# Altium PCB MAIN.PcbDoc (part 1 of 2)
Units mil, origin at the board's own origin, x right, y up, seen from the top; angles counter-clockwise.
Board outline 5796 x 4241 mil, 2 copper layers (Top Layer, Bottom Layer); 170 components, 202 nets, 835 pads, 432 vias.
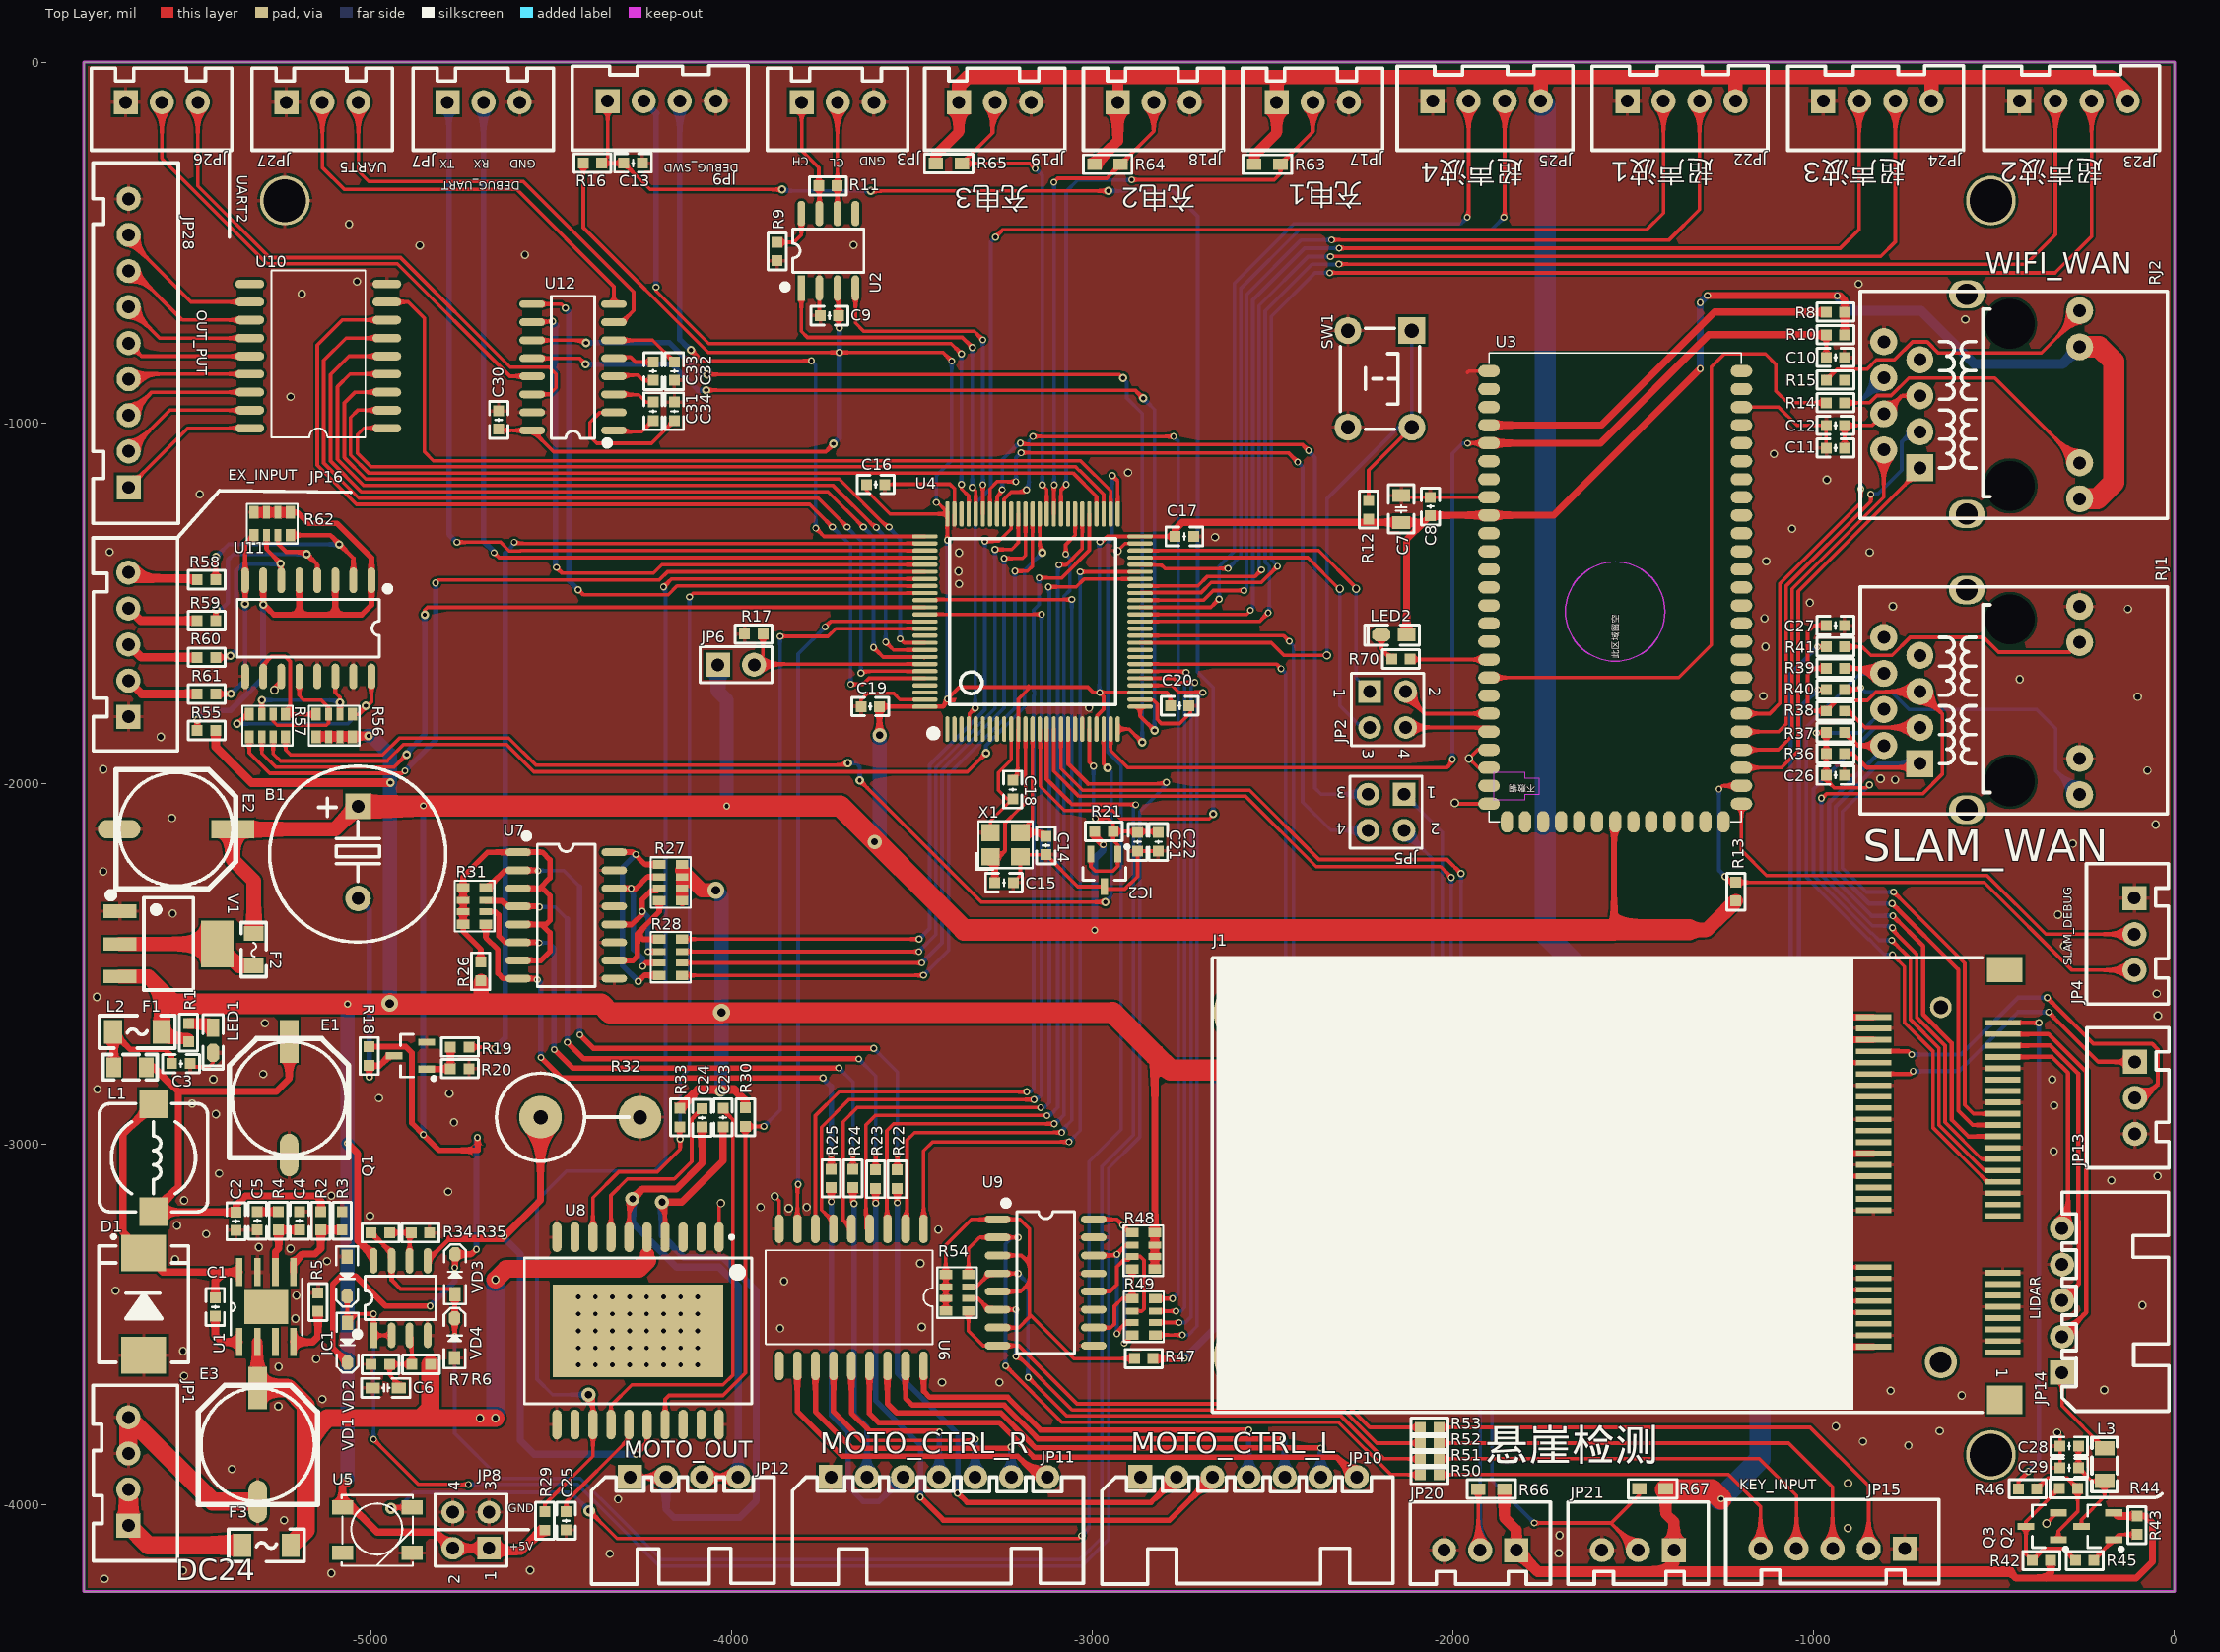
[diagram p0: Top Layer view]
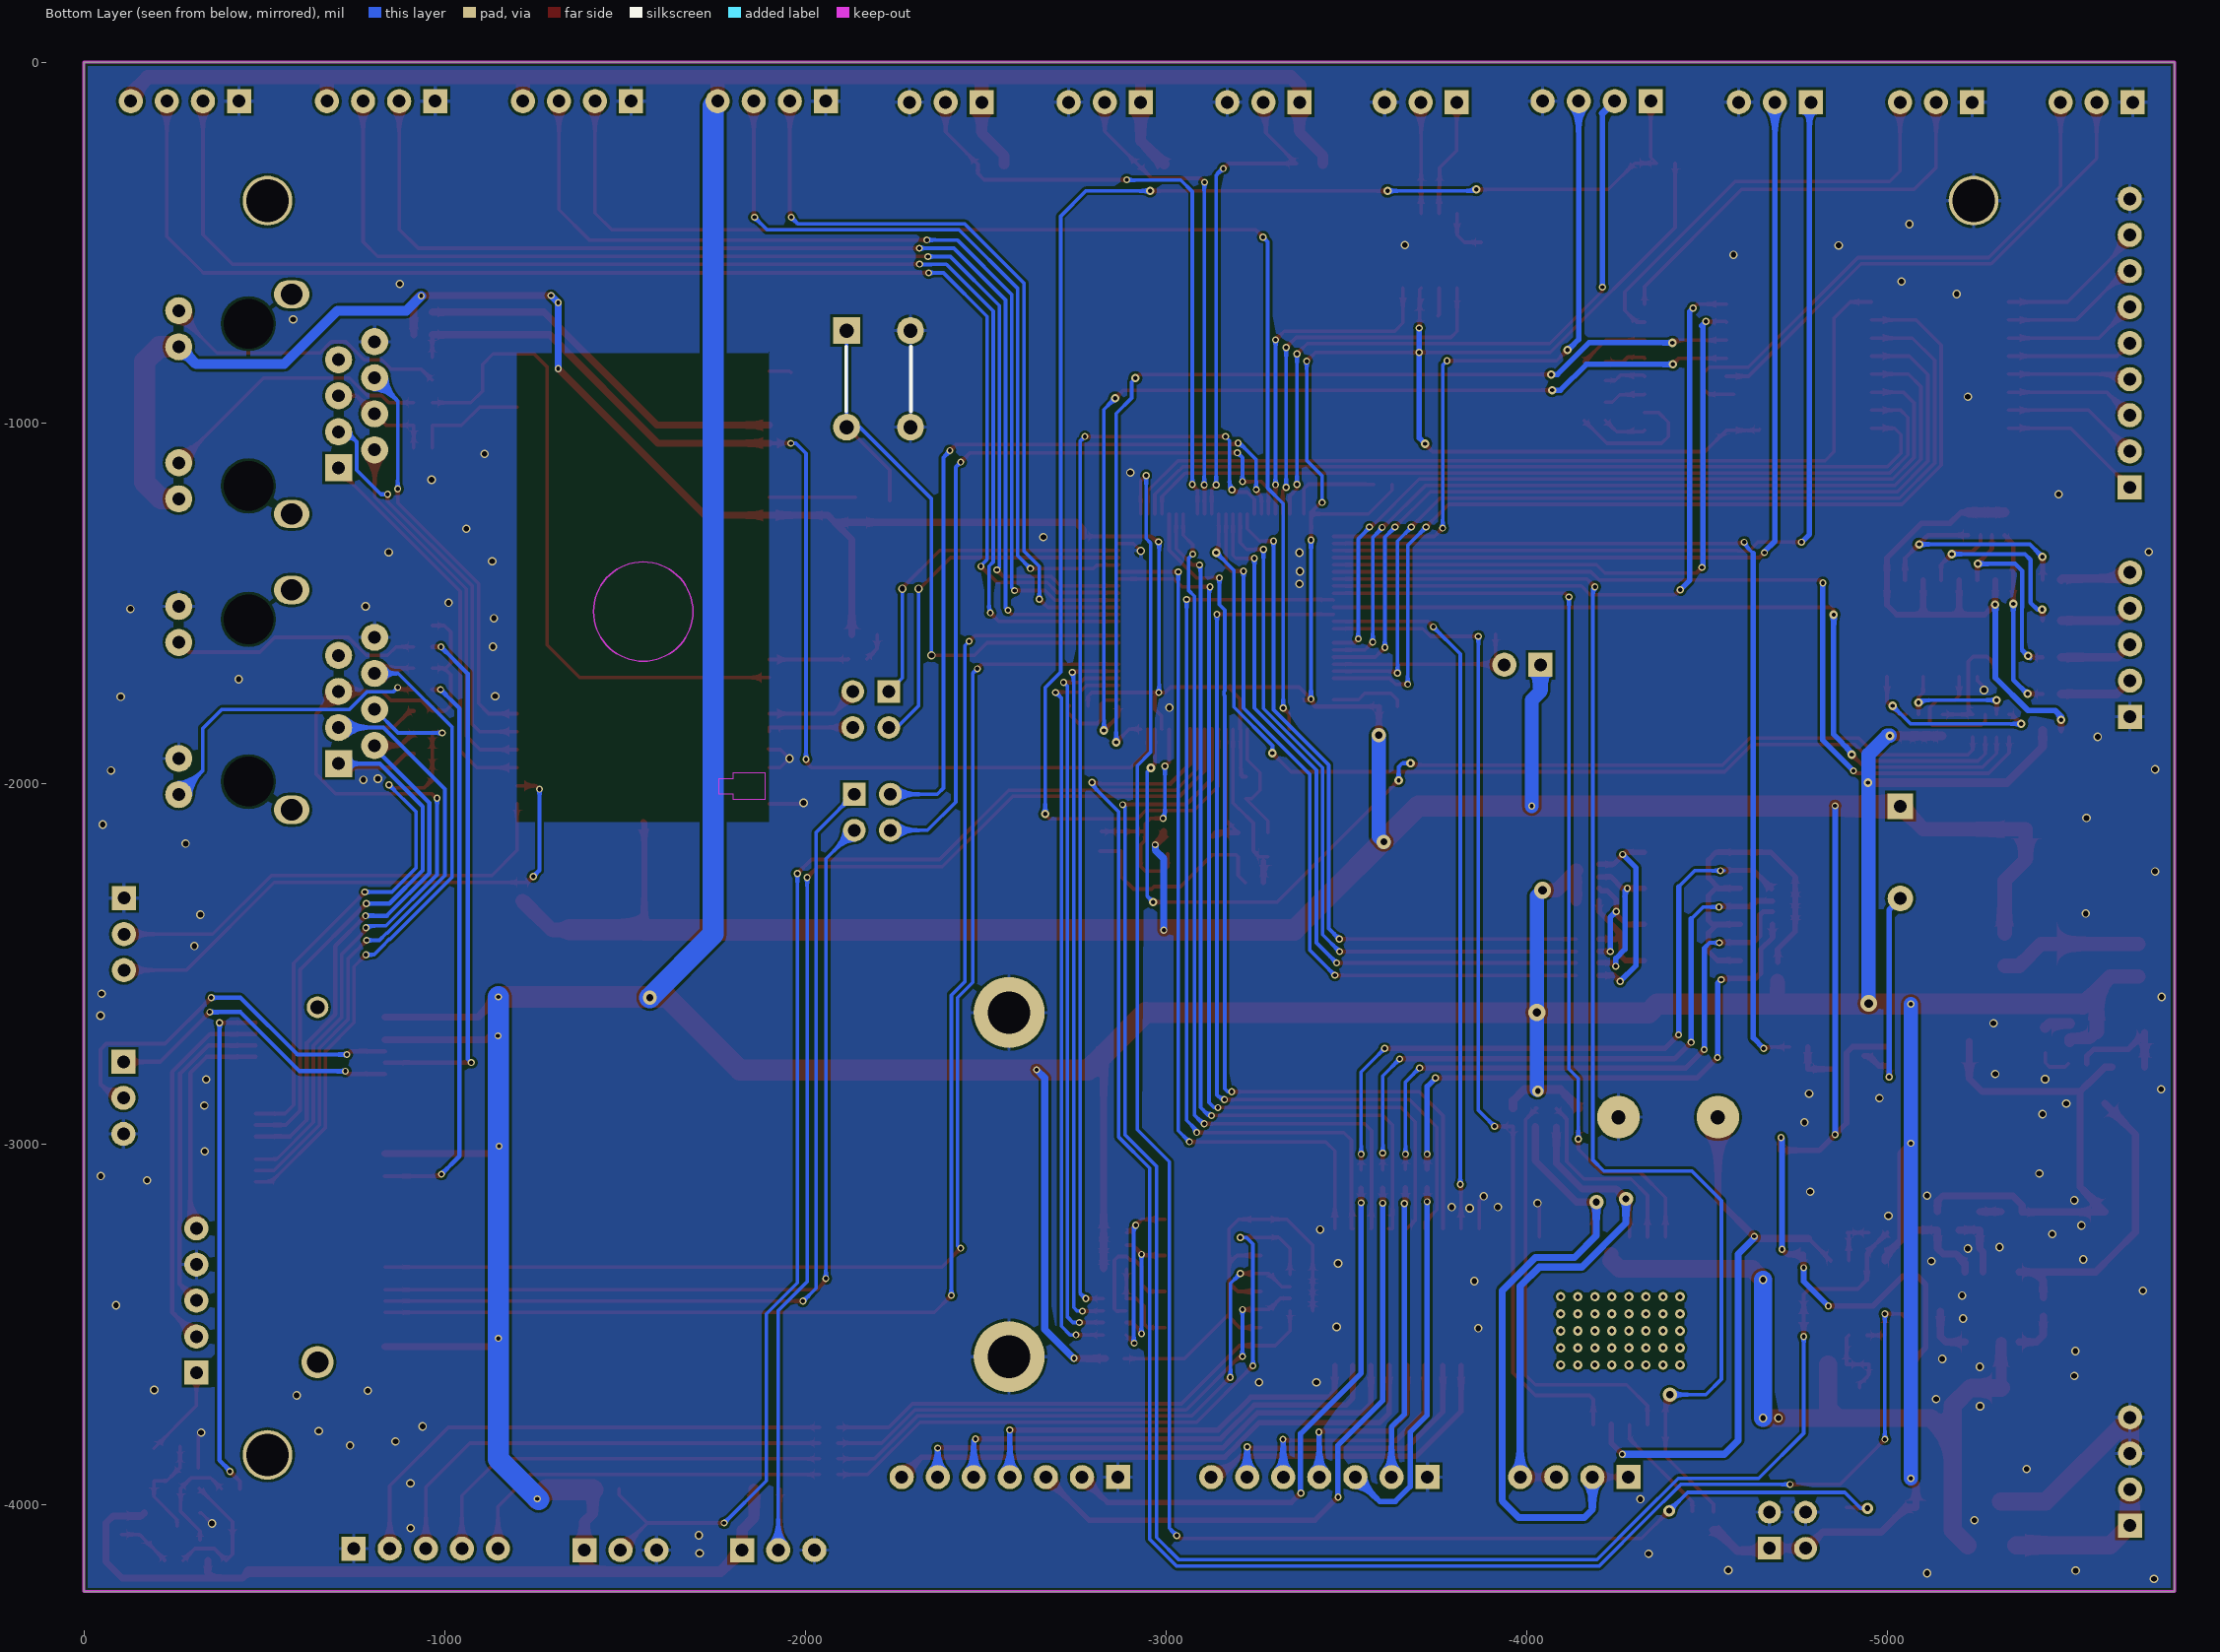
[diagram p1: Bottom Layer view, seen from below]

## Layer stack, top to bottom
Top Layer: signal copper 1.4
Dielectric: dielectric 12.6, FR-4, Dk 4.8
Bottom Layer: signal copper 1.4

## Board outline
-5795,-4241 1,-4241 1,0 -5795,0

## Design rules (kind name [scope] priority, off if disabled: settings)
Clearance [All] p1: gap=7
HoleSize [All] p1 off: absolutevalues=TRUE maxlimit=100 minlimit=1 maxpercent=80.000 minpercent=20.000
MinimumSolderMaskSliver [All] p1 off: minsoldermaskwidth=10
PolygonConnect [All] p1: connectstyle=Relief reliefconductorwidth=10 reliefentries=4 polygonreliefangle="90 Angle"
RoutingVias [All] p1: holewidth=28 width=50 viastyle="Through Hole" minholewidth=28 minwidth=50 maxholewidth=28 maxwidth=50
SilkToSilkClearance [All] p1 off: silktosilkclearance=10
SilkscreenOverComponentPads [IsPad] p1 off: minsilkscreentomaskgap=10
SolderMaskExpansion [All] p1: expansion=4
Width [All] p1: maxlimit=60 minlimit=10 preferedwidth=50
24 further rules are at their usual default settings.

## Classes and differential pairs
component class Sensor: JP17 JP18 JP19 JP20 JP21 JP22 JP23 JP24 JP25 R63 R64 R65 R66 R67
component class main: B1 C7 C8 C9 C10 C11 C12 C13 C14 C15 C16 C17 C18 C19 C20 C21 C22 IC2 JP2 JP3 JP4 JP5 JP6 JP7 JP8 JP9 LED2 Q1 R8 R9 R10 R11 R12 R13 R14 R15 R16 R17 R18 R19 R20 R21 R70 RJ2 SW1 U2 U3 U4 U5 X1
component class MOTO: C23 C24 C25 JP10 JP11 JP12 R22 R23 R24 R25 R26 R27 R28 R29 R30 R31 R32 R33 R34 R35 U6 U7 U8 VD3 VD4
component class POW: C1 C2 C3 C4 C5 C6 D1 E1 E2 E3 F1 F2 F3 IC1 JP1 L1 L2 LED1 R2 R3 R4 R5 R6 R7 R70 U1 V1 VD1 VD2
component class SLAPCIE: C26 C27 C28 C29 J1 JP13 JP14 L3 Q2 Q3 R36 R37 R38 R39 R40 R41 R42 R43 R44 R45 R46 RJ1
component class tongxun: C30 C31 C32 C33 C34 JP26 JP27 U12
component class InputOutput: JP15 JP16 JP28 R47 R48 R49 R50 R51 R52 R53 R54 R55 R56 R57 R58 R59 R60 R61 R62 U9 U10 U11

## Components (designator, comment, footprint, x,y, rotation, side; value= is the part's Value field where it differs from the comment)
B1 "DC5V" "BEEP 6.5x12x8.5" -5035,-2191 r180 top
C1 "104" "C 0603_L" -5431,-3452 r90 top
C2 "104" "C 0603_L" -5373,-3214 r90 top
C3 "106" "C 0603_L" -5526,-2777 r180 top
C4 "47pF" "C 0603_L" -5197,-3213 r270 top
C5 "4700pF" "C 0603_L" -5314,-3212.99 r90 top
C6 "104" "C 0603_m" -4958,-3676 r0 top
C7 "10uF" "C 0805_L" -2143,-1239 r270 top
C8 "104" "C 0603_L" -2062,-1232 r270 top
C9 "104" "C 0603_L" -3728,-703 r180 top
C10 "104" "C 0603_L" -939,-818.67 r180 top
C11 "104" "C 0603_L" -939,-1070 r180 top
C12 "104" "C 0603_L" -939,-1007.17 r180 top
C13 "104" "C 0603_L" -4272.42,-279.34 r180 top
C14 "22pF" "C 0603_L" -3128,-2172 r90 top
C15 "22pF" "C 0603_L" -3244,-2275 r180 top
C16 "106" "C 0603_L" -3600,-1171 r180 top
C17 "104" "C 0603_L" -2744,-1315 r180 top
C18 "104" "C 0603_L" -3220,-2017 r90 top
C19 "104" "C 0603_L" -3615,-1787 r0 top
C20 "104" "C 0603_L" -2757,-1785 r180 top
C21 "106" "C 0603_L" -2874,-2162 r90 top
C22 "104" "C 0603_L" -2816,-2162 r90 top
C23 "15nF" "C 0603_L" -4023,-2926.54 r270 top
C24 "15nF" "C 0603_L" -4081,-2927.54 r90 top
C25 "0.22uF" "C 0603_L" -4458,-4044.53 r90 top
C26 "104" "C 0603_L" -939,-1977 r180 top
C27 "104" "C 0603_L" -939,-1562 r180 top
C28 "106" "C 0603_L" -291,-3838 r0 top
C29 "104" "C 0603_L" -290.82,-3897.67 r180 top
C30 "0.1uF/50V" "C 0603_L" -4645,-992 r90 top
C31 "0.1uF/50V" "C 0603_L" -4216.99,-968 r270 top
C32 "0.1uF/50V" "C 0603_L" -4158,-857 r270 top
C33 "0.1uF/50V" "C 0603_L" -4217,-856.99 r90 top
C34 "0.1uF/50V" "C 0603_L" -4158,-968 r90 top
D1 "SS34" SMC -5629,-3444 r90 top
E1 "220uf" "CM E(8*10.2)" -5226,-2873 r90 top
E2 "220uf" "CM E(8*10.2)" -5540,-2127 r0 top
E3 "220uf" "CM E(8*10.2)" -5313,-3834 r90 top
F1 "2A" "FU 1206" -5647,-2689 r0 top
F2 "1A" "FU 0805" -5324,-2461 r90 top
F3 "4A" "FU 1206" -5289,-4113 r0 top
IC1 "MCP6002" SOP8_N -4917,-3427 r90 top
IC2 "TL431" SOT23-3N -2966,-2241 r180 top
J1 "SLA_MINI_PCIE" MINI_PCIE -649,-3602 r0 top
JP1 "HDR-1X4" XH2.54-LI-4P -5671.43,-3908 r90 top
JP2 "Header2X2" HDR2.54-LI-2x2P -2180.49,-1795 r270 top
JP3 "HDR-1X3" XH2.54-LI-3P -3705,-111 r0 top
JP4 "HDR-1X3" XH2.54-LI-3P -110,-2418 r270 top
JP5 "Header2X2" HDR2.54-LI-2x2P -2185,-2080 r180 top
JP6 "HDR-1X2" HDR2.54-LI-2P -3987,-1671 r0 top
JP7 "HDR-1X3" XH2.54-LI-3P -4687,-111 r0 top
JP8 "HDR-1X4" HDR2.54-LI-2x2P -4722,-4071 r90 top
JP9 "HDR-1X4" XH2.54-LI-4P -4193,-108 r0 top
JP10 "HDR-1X7" XH2.54-WI-7P -2566,-3923.62 r0 top
JP11 "HDR-1X7" XH2.54-WI-7P -3424,-3923.62 r0 top
JP12 "HDR-1X4" XH2.54-WI-4P -4131,-3923.62 r0 top
JP13 "HDR-1X3" XH2.54-LI-3P -108.62,-2872 r270 top
JP14 "HDR-1X5" XH2.54-WI-5P -311,-3434 r90 top
JP15 "HDR-1X5" XH2.54-LI-5P -947,-4122 r180 top
JP16 "HDR-1X5" XH2.54-LI-5P -5671.43,-1615 r90 top
JP17 "HDR-1X3" XH2.54-LI-3P -2388,-111 r0 top
JP18 "HDR-1X3" XH2.54-LI-3P -2829,-111 r0 top
JP19 "HDR-1X3" XH2.54-LI-3P -3269,-111 r0 top
JP20 "HDR-1X3" XH2.54-LI-3P -1924,-4126 r180 top
JP21 "HDR-1X3" XH2.54-LI-3P -1486.53,-4126 r180 top
JP22 "HDR-1X4" XH2.54-LI-4P -1366,-108 r0 top
JP23 "HDR-1X4" XH2.54-LI-4P -279,-108 r0 top
JP24 "HDR-1X4" XH2.54-LI-4P -823,-108 r0 top
JP25 "HDR-1X4" XH2.54-LI-4P -1906,-108 r0 top
JP26 "HDR-1X3" XH2.54-LI-3P -5579,-111 r0 top
JP27 "HDR-1X3" XH2.54-LI-3P -5134,-111 r0 top
JP28 "HDR-1X9" XH2.54-LI-9P -5671,-779 r90 top
L1 "15uH" CDRH73 -5602,-3038 r270 top
L2 "10uH" "L 0805" -5667,-2787 r180 top
L3 "10um" "L 0805" -193,-3889 r90 top
LED1 "红色" "LED 0603G" -5437,-2712 r270 top
LED2 "红色" "LED 0603G" -2163,-1588 r180 top
Q1 "SS8050" SOT23-3N -4890,-2755 r90 top
Q2 "SS8550" SOT23-3N -212,-4060 r90 top
Q3 "SS8050" SOT23-3N -366,-4060 r90 top
R1 "1K" "R 0603_L" -5505,-2691 r270 top
R2 "31.6K" "R 0603_L" -5138,-3213 r90 top
R3 "10K" "R 0603_L" -5079,-3213 r270 top
R4 "16.9K" "R 0603_L" -5255.5,-3213 r270 top
R5 "243K" "R 0603_L" -5146,-3438 r270 top
R6 "74K" "R 0603_L" -4860,-3611 r0 top
R7 "10K" "R 0603_L" -4973,-3611 r0 top
R8 "5.1K" "R 0603_L" -939,-693 r180 top
R9 "0" "R 0603_L" -3873,-525 r270 top
R10 "5.1K" "R 0603_L" -939,-755.83 r180 top
R11 "120" "R 0603_L" -3732,-343 r180 top
R12 "1K" "R 0603_L" -2233,-1241 r270 top
R13 "5.1K" "R 0603_L" -1215,-2300 r270 top
R14 "1.0K" "R 0603_L" -938.99,-944.33 r0 top
R15 "1.0K" "R 0603_L" -939,-881.5 r180 top
R16 "1K" "R 0603_L" -4385,-280 r0 top
R17 "1K" "R 0603_L" -3938,-1586 r0 top
R18 "1M" "R 0603_L" -5004,-2756 r90 top
R19 "1K" "R 0603_L" -4753,-2731 r0 top
R20 "10K" "R 0603_L" -4753,-2791 r180 top
R21 "1K" "R 0603_L" -2967,-2133 r180 top
R22 "4.7K" "R 0603_L" -3540,-3097.54 r90 top
R23 "4.7K" "R 0603_L" -3600,-3097.54 r90 top
R24 "4.7K" "R 0603_L" -3663,-3095.54 r90 top
R25 "4.7K" "R 0603_L" -3723,-3095.54 r90 top
R26 "10" "R 0603_L" -4695,-2521 r90 top
R27 "1k" RCA-8P4R-0603 -4168,-2275 r270 top
R28 "100" RCA-8P4R-0603 -4168,-2482 r90 top
R29 "10K" "R 0603_L" -4517,-4045 r270 top
R30 "10K" "R 0603_L" -3961,-2925.54 r90 top
R31 "1k" RCA-8P4R-0603 -4712,-2340 r270 top
R32 "0R5" "RS 3W-V7" -4529,-2925.54 r0 top
R33 "10K" "R 0603_L" -4143,-2926.54 r90 top
R34 "10K" "R 0603_L" -4973,-3246 r180 top
R35 "1K" "R 0603_L" -4862,-3246 r180 top
R36 "1K" "R 0603_L" -938.99,-1917.71 r0 top
R37 "1K" "R 0603_L" -938.99,-1858.42 r0 top
R38 "1K" "R 0603_L" -938.99,-1799.14 r0 top
R39 "1K" "R 0603_L" -938.99,-1680.56 r0 top
R40 "1K" "R 0603_L" -938.99,-1739.85 r0 top
R41 "1K" "R 0603_L" -938.99,-1621.28 r0 top
R42 "1K" "R 0603_L" -368,-4155 r0 top
R43 "10K" "R 0603_L" -103,-4057 r90 top
R44 "0" "R 0603_L" -293,-3955 r180 top
R45 "1K" "R 0603_L" -248,-4155 r0 top
R46 "1K" "R 0603_L" -406,-3956 r0 top
R47 "10" "R 0603_L" -2857,-3595 r180 top
R48 "1k" RCA-8P4R-0603 -2857.67,-3296 r270 top
R49 "100" RCA-8P4R-0603 -2856.67,-3479 r90 top
R50 "4.7K" "R 0603_L" -2064,-3916.67 r0 top
R51 "4.7K" "R 0603_L" -2064,-3873 r0 top
R52 "4.7K" "R 0603_L" -2064,-3829.33 r0 top
R53 "4.7K" "R 0603_L" -2064,-3785.66 r0 top
R54 "1k" RCA-8P4R-0603 -3374,-3412 r270 top
R55 "10" "R 0603_L" -5455.01,-1853 r180 top
R56 "1k" RCA-8P4R-0603 -5101,-1840 r180 top
R57 "100" RCA-8P4R-0603 -5286,-1840 r0 top
R58 "4.7K" "R 0603_L" -5455,-1435 r180 top
R59 "4.7K" "R 0603_L" -5455.01,-1548.67 r180 top
R60 "4.7K" "R 0603_L" -5455.01,-1650.33 r180 top
R61 "4.7K" "R 0603_L" -5455.01,-1752 r180 top
R62 "1k" RCA-8P4R-0603 -5273,-1280 r180 top
R63 "10K" "R 0603_M" -2514,-283 r180 top
R64 "10K" "R 0603_M" -2957,-283 r180 top
R65 "10K" "R 0603_M" -3397,-281 r180 top
R66 "10K" "R 0603_M" -1893,-3957 r0 top
R67 "10K" "R 0603_M" -1446,-3956 r0 top
R70 "1K" "R 0603_L" -2144,-1655 r0 top
RJ1 "HR911105A" RJ-45A12 -455,-1770 r90 top
RJ2 "HR911105A" RJ-45A12 -455,-950 r90 top (schematic designator RJ？1)
SW1 "6x6x5" "TSW DIP-6*6*6" -2202,-878 r270 top
U1 "TPS54540" SOP8_1 -5288.1,-3448.9 r90 top
U2 "VP230" SOP8_N -3731,-523 r90 top
U3 "widora-bit" Widora-BIT2 -1561,-1529 r90 top
U4 "STM32F103V" "LQFP100 14X14_N" -3165,-1551 r0 top
U5 "WS2812" WS2812 -5075,-4007 r0 top
U6 "ULN2803" SO-G18 -3467,-3235 r270 top
U7 "TLP281-4" SOP16N_n -4458,-2366 r0 top
U8 "L6201PS" SO_PowerSO20 -4034,-3250 r180 top
U9 "TLP281-4" SOP16N_n -3128.67,-3384 r0 top
U10 "ULN2803" SO-G18 -4955,-1015 r180 top
U11 "TLP281-4" SOP16N_n -5172.93,-1569.97 r270 top
U12 "MAX3232ID" SOP16_n -4439,-846 r180 top
V1 "AMS1117-3V3" SOT223_M -5560,-2445 r270 top
VD1 "1N4148" SOD-323 -5064,-3551.12 r270 top
VD2 "1N4148" SOD-323 -5065,-3367.12 r270 top
VD3 "1N4148" SOD-323 -4766,-3361 r90 top
VD4 "1N4148" SOD-323 -4767,-3538 r90 top
X1 "8M" "OSC 3225-4P" -3240.06,-2169.95 r0 top

## Footprints (in the part's own frame and the unit in brackets; to place one, negate y for a bottom-side part, rotate by r counter-clockwise, add the part's x,y. Pads: shape width x height; smd on the part's side, far side on the other; paste and mask are expansions set on the pad)
"BEEP 6.5x12x8.5" [mm]
  rect 1.8x1.8 hole 0.9: 1(0,-3.25)
  round 1.8 hole 0.9: 2(0,3.25)
  silkscreen extent -6.18,-6.07 6.22,6.32, body extent -6,-6 6,6, height 8.55
"C 0603_L" [mil]
  rect 30x30 smd: 1(-25.59,0) 2(25.59,0)
  silkscreen extent -51,-26 51,26, body extent -31,-16 31,16, height 32
"C 0603_m" [mil]
  rect 40x30 smd: 1(-36.5,0) 2(36.5,0)
  silkscreen extent -68,-26 68,26, body extent -31,-16 31,16, height 32
"C 0805_L" [mil]
  rect 35x50 smd: 1(-37.4,0) 2(37.4,0)
  silkscreen extent -67,-36 67,36, body extent -39,-24 39,24, height 20
CDRH73 [mm]
  rect 2x2 smd: 1(-3.81,0) 2(3.81,0)
  silkscreen extent -3.81,-3.81 3.81,3.81, body extent -3.65,-3.65 3.65,3.65, height 3.65
"CM E(8*10.2)" [mm]
  rect 3x1.3 smd: 1(4,0)
  oval 3x1.3 smd: 2(-4,0)
  silkscreen extent -4.2,-4.2 4.2,4.2, body extent -4.5,-4.15 4.5,4.15, height 10.2
"FU 0805" [mil]
  rect 40x55 smd: 1(-45,0) 2(45,0)
  silkscreen extent -75,-35 75,35, body extent -39,-24 39,24, height 20
"FU 1206" [mil]
  rect 50x65 smd: 1(-67.5,0) 2(67.5,0)
  silkscreen extent -105,-45 105,45, body extent -63,-32 63,32, height 34
HDR2.54-LI-2P [mm]
  rect 1.7x1.7 hole 0.9: 1(-1.27,0)
  round 1.7 hole 0.9: 2(1.27,0)
  silkscreen extent -2.54,-1.27 2.54,1.27, body extent -2.54,-1.27 2.54,1.27, height 8.5
HDR2.54-LI-2x2P [mm]
  rect 1.6x1.6 hole 0.9: 1(-1.27,-1.27)
  round 1.6 hole 0.9: 2(-1.27,1.27) 3(1.27,-1.27) 4(1.27,1.27)
  silkscreen extent -2.54,-2.54 2.54,2.54, body extent -2.54,-2.54 2.54,2.54, height 8.5
"L 0805" [mil]
  rect 40x55 smd: 1(-45,0) 2(45,0)
  silkscreen extent -75,-35 75,35, body extent -39,-24 39,24, height 35
"LED 0603G" [mil]
  rect 50x35 smd: 1(-35,0.26)
  oct 50x35 smd: 2(35,0.26)
  silkscreen extent -71,-28 81,28, body extent -31,-16 32,16, height 18
"LQFP100 14X14_N" [mm]
  oval 0.3x1.8 smd: 1(-6,-7.575) 2(-5.5,-7.575) 3(-5,-7.575) 4(-4.5,-7.575) 5(-4,-7.575) 6(-3.5,-7.575) 7(-3,-7.575) 8(-2.5,-7.575) 9(-2,-7.575) 10(-1.5,-7.575) 11(-1,-7.575) 12(-0.5,-7.575) 13(0,-7.575) 14(0.5,-7.575) 15(1,-7.575) 16(1.5,-7.575) 17(2,-7.575) 18(2.5,-7.575) 19(3,-7.575) 20(3.5,-7.575) 21(4,-7.575) 22(4.5,-7.575) 23(5,-7.575) 24(5.5,-7.575) 25(6,-7.575) 51(6,7.575) 52(5.5,7.575) 53(5,7.575) 54(4.5,7.575) 55(4,7.575) 56(3.5,7.575) 57(3,7.575) 58(2.5,7.575) 59(2,7.575) 60(1.5,7.575) 61(1,7.575) 62(0.5,7.575) 63(0,7.575) 64(-0.5,7.575) 65(-1,7.575) 66(-1.5,7.575) 67(-2,7.575) 68(-2.5,7.575) 69(-3,7.575) 70(-3.5,7.575) 71(-4,7.575) 72(-4.5,7.575) 73(-5,7.575) 74(-5.5,7.575) 75(-6,7.575)
  oval 1.8x0.3 smd: 26(7.576,-6) 27(7.576,-5.5) 28(7.576,-5) 29(7.576,-4.5) 30(7.576,-4) 31(7.576,-3.5) 32(7.576,-3) 33(7.576,-2.5) 34(7.576,-2) 35(7.576,-1.5) 36(7.576,-1) 37(7.576,-0.5) 38(7.576,0) 39(7.576,0.5) 40(7.576,1) 41(7.576,1.5) 42(7.576,2) 43(7.576,2.5) 44(7.576,3) 45(7.576,3.5) 46(7.576,4) 47(7.576,4.5) 48(7.576,5) 49(7.576,5.5) 50(7.576,6) 76(-7.575,6) 77(-7.575,5.5) 78(-7.575,5) 79(-7.575,4.5) 80(-7.575,4) 81(-7.575,3.5) 82(-7.575,3) 83(-7.575,2.5) 84(-7.575,2) 85(-7.575,1.5) 86(-7.575,1) 87(-7.575,0.5) 88(-7.575,0) 89(-7.575,-0.5) 90(-7.575,-1) 91(-7.575,-1.5) 92(-7.575,-2) 93(-7.575,-2.5) 94(-7.575,-3) 95(-7.575,-3.5) 96(-7.575,-4) 97(-7.575,-4.5) 98(-7.575,-5) 99(-7.575,-5.5) 100(-7.575,-6)
  silkscreen extent -7.23,-8.12 5.84,5.84, body extent -8,-8 8,8, height 1.45